# KiCad board labathome_pcb15.kicad_pcb
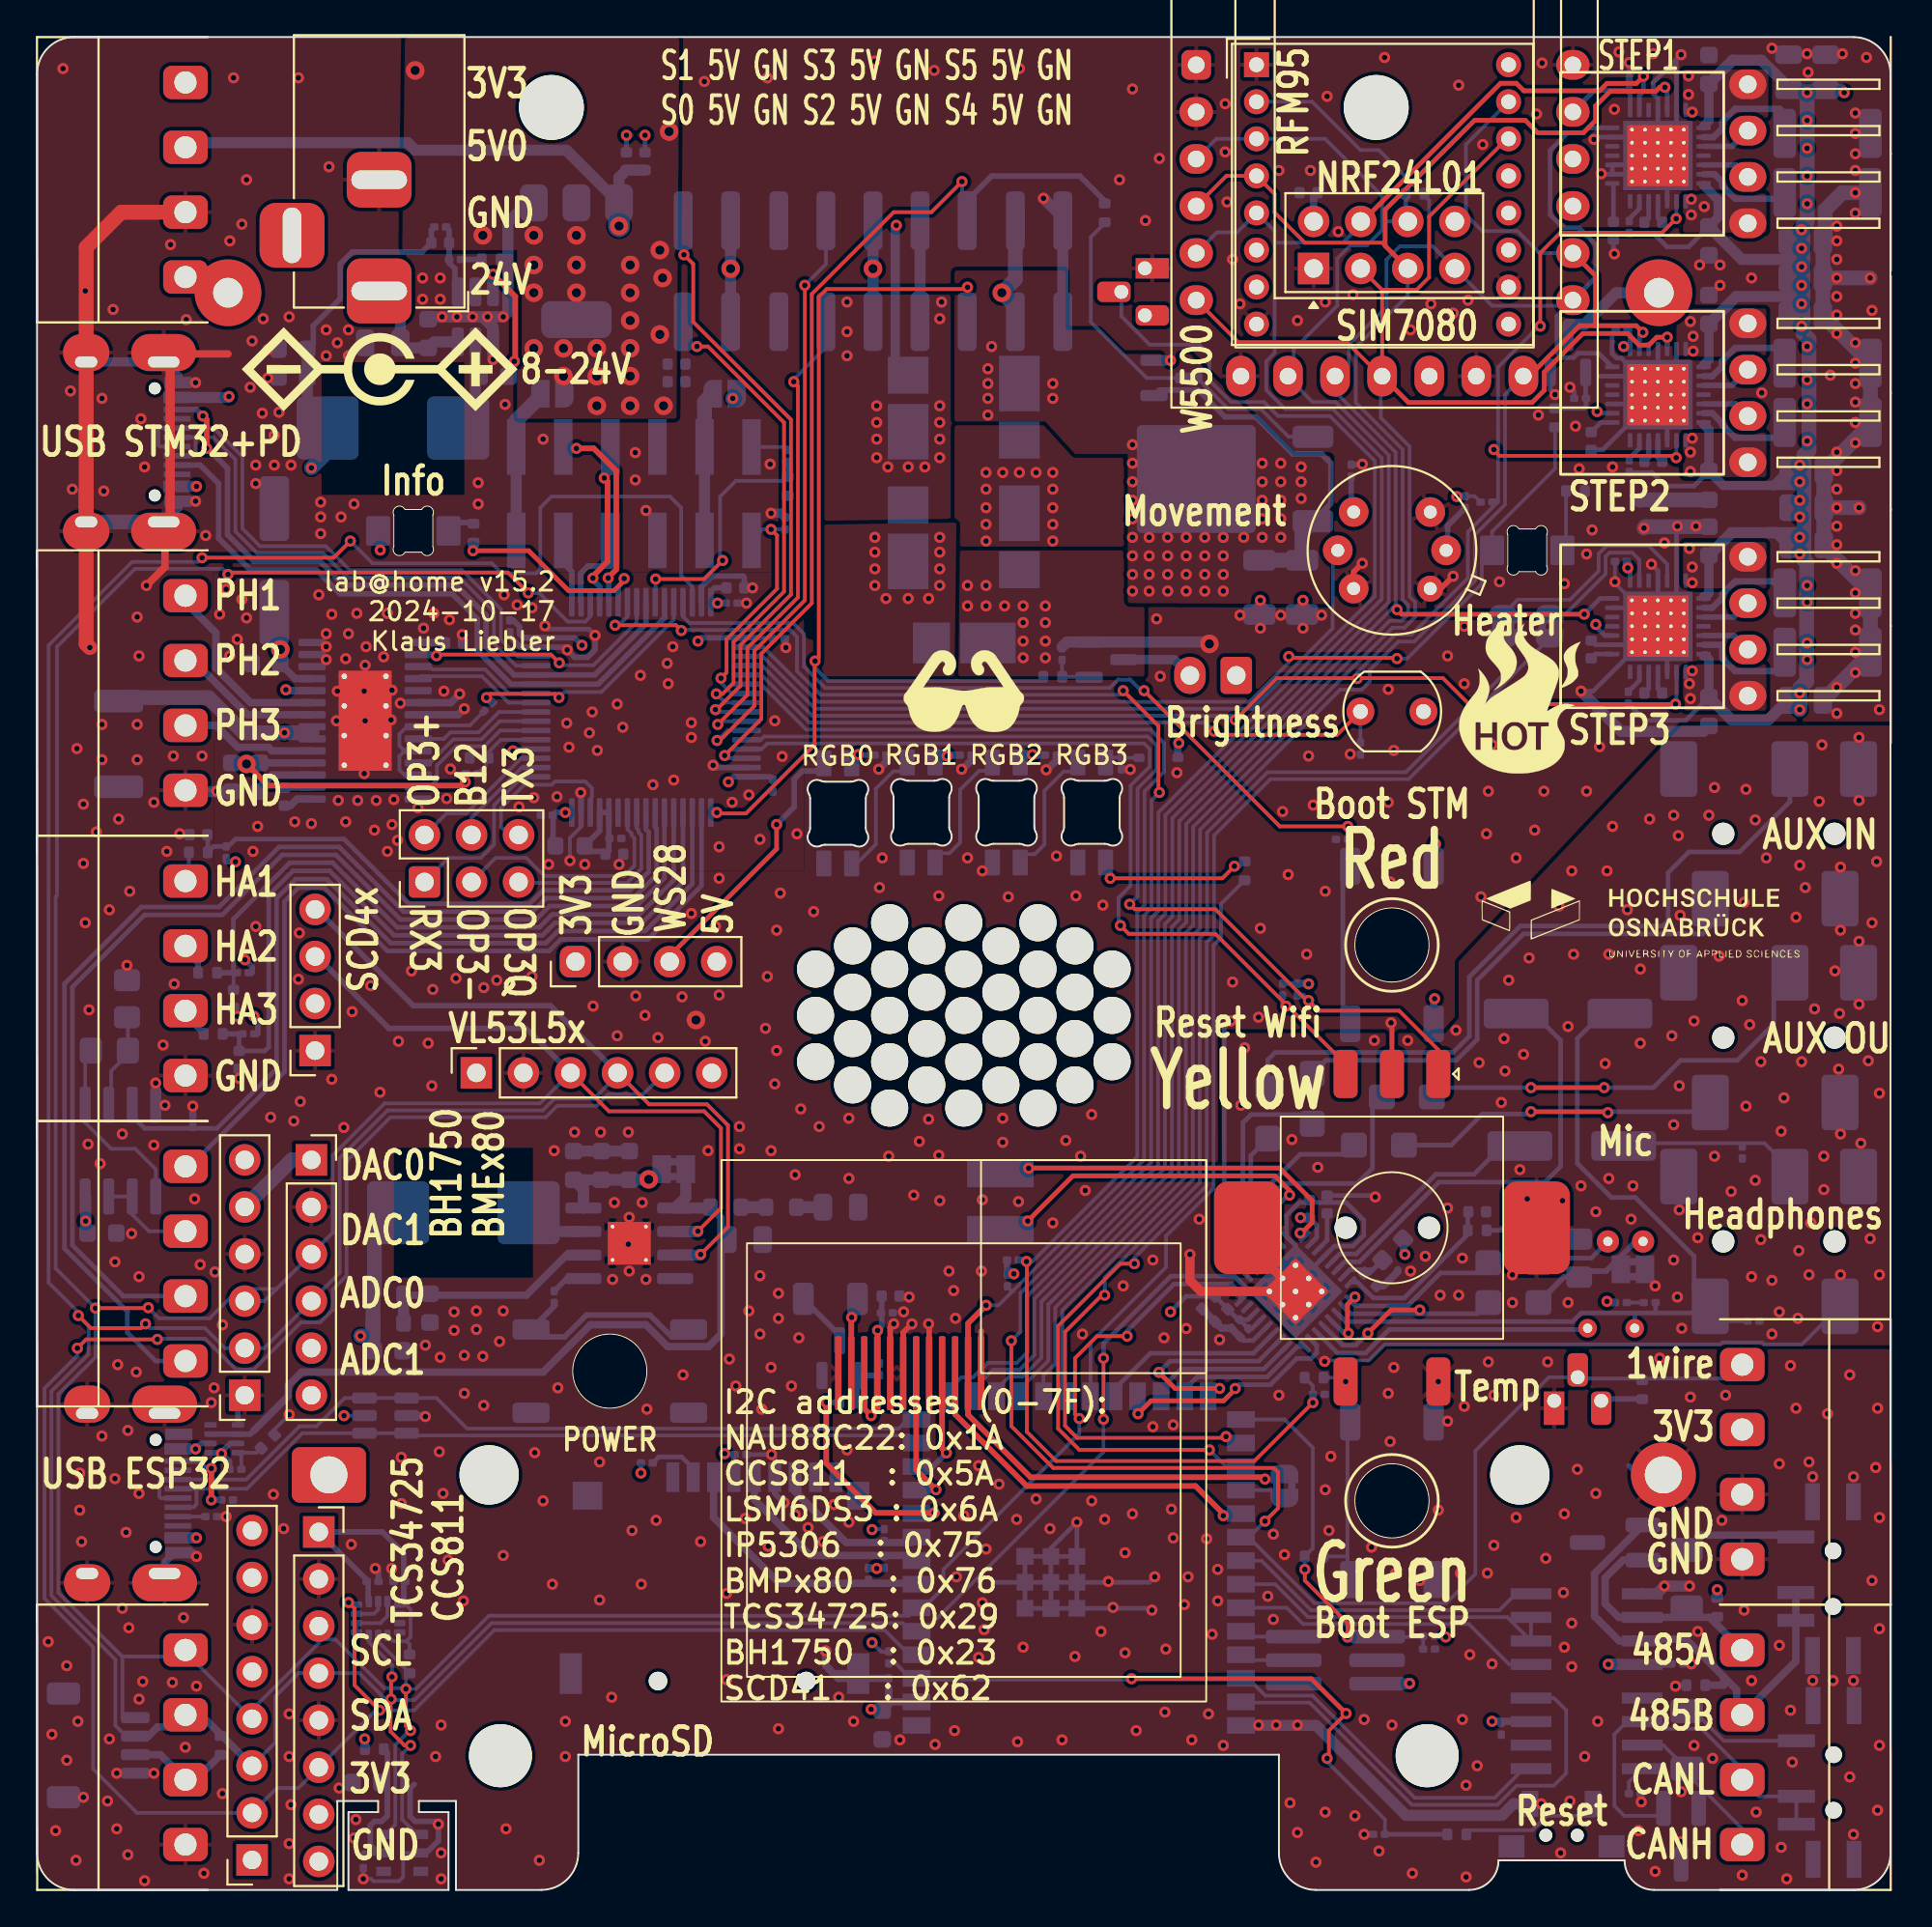
[diagram p0: board, top side]
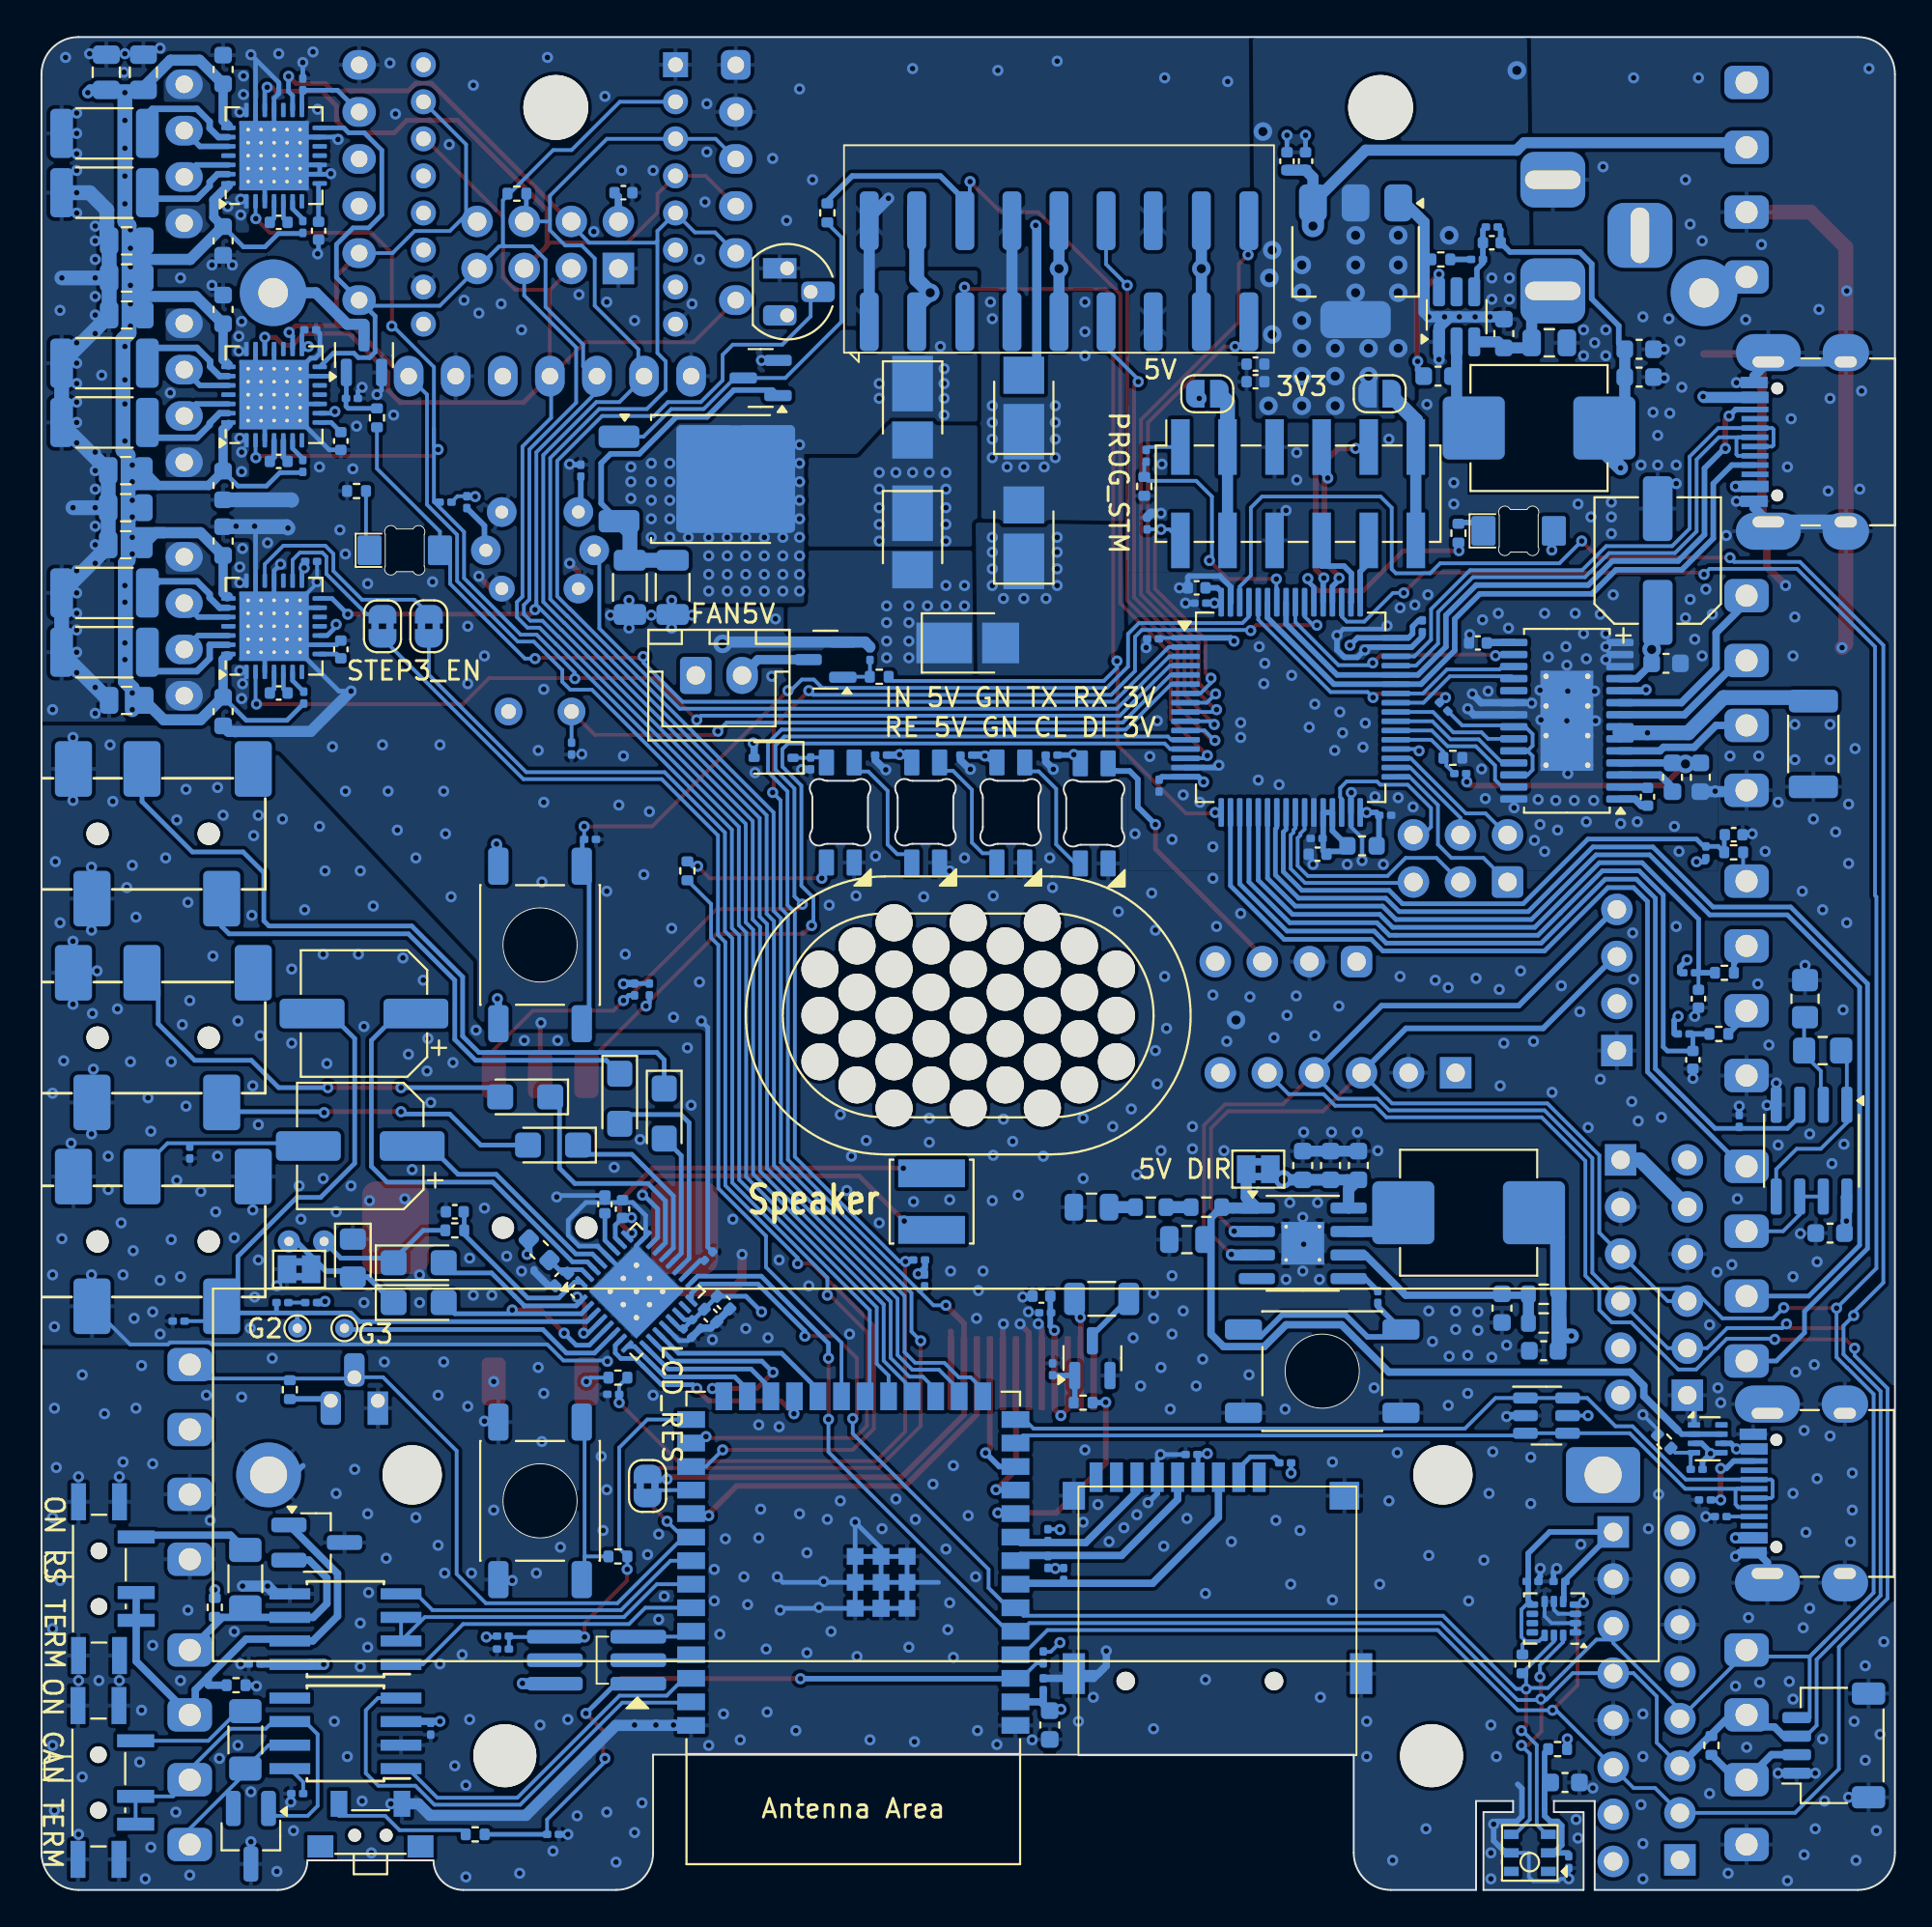
[diagram p1: board, bottom side, seen from below]

Outline 100 x 100 mm; copper layers: Top, In1.Cu, In2.Cu, Bottom. Coordinates in mm from the lower left corner of the outline.
Outline path: 0,98 0,2 arc(0.59,0.59) 2,0 16.2,0 16.2,4.8 18.4,4.8 18.4,4.2 16.8,4.2 16.8,0 22.2,0 22.2,4.2 20.6,4.2 20.6,4.8 22.6,4.8 22.6,0 27.2,0 arc(28.61,0.59) 29.2,2 29.2,7.3 67,7.3 67,2 arc(67.59,0.59) 69,0 77.25,0 arc(78.38,0.47) 78.85,1.6 85.65,1.6 arc(86.12,0.47) 87.25,0 98,0 arc(99.41,0.59) 100,2 100,98 arc(99.41,99.41) 98,100 2,100 arc(0.59,99.41) 0,98
Stack: Top 0.035mm / dielectric 0.1mm FR4 er 4.5 / In1.Cu 0.035mm / dielectric 1.24mm FR4 er 4.5 / In2.Cu 0.035mm / dielectric 0.1mm FR4 er 4.5 / Bottom 0.035mm

## Placement (name value [footprint] x y rotation side)
BT1  18650  [BatteryHolder_MPD_BH-18650-PC2]  15.75 22.4 0 bottom
C1  10u  [C_0805_2012Metric]  43.35 36.85 0 bottom
C2  u1  [C_0201_0603Metric]  45.95 11.1 90 bottom
C3  u1  [C_0201_0603Metric]  88.5 12.2 180 bottom
C4  10u  [C_0805_2012Metric]  38.2 35.1 0 bottom
C5  u1  [C_0201_0603Metric]  72.4 3 180 bottom
C6  22u  [C_0603_1608Metric]  45.6 8.9 270 bottom
C7  22u  [C_0603_1608Metric]  21.2 31.4 270 bottom
C8  10p  [C_0402_1005Metric]  8.7 56.95 180 bottom
C9  10p  [C_0402_1005Metric]  10.6 48.1 270 bottom
C10  10p  [C_0402_1005Metric]  10.9 44.8 270 bottom
C11  u1  [C_0201_0603Metric]  79 8.7 270 bottom
C12  4u7  [C_0402_1005Metric]  63.2 31.7 225 bottom
C13  4u7  [C_0402_1005Metric]  63.9 31 225 bottom
C14  4u7  [C_0402_1005Metric]  71.95 32.95 315 bottom
C15  4u7  [C_0402_1005Metric]  68.65 36.75 90 bottom
C16  1u  [CP_EIA-3216-10_Kemet-I]  72.4 40.2 0 bottom
C17  1u  [CP_EIA-3216-10_Kemet-I]  73.9 42.8 0 bottom
C18  220u  [CP_Elec_6.3x5.4]  82.6 47.3 0 bottom
C19  220u  [CP_Elec_6.3x5.4]  82.8 40.15 0 bottom
C20  1u  [CP_EIA-3216-10_Kemet-I]  79.65 31.7 180 bottom
C21  4u7  [C_0402_1005Metric]  69.6 37 90 bottom
C22  4u7  [C_0402_1005Metric]  77.7 36.6 0 bottom
C23  1u  [CP_EIA-3216-10_Kemet-I]  79.65 33.85 180 bottom
C24  1u  [CP_EIA-3216-10_Kemet-I]  66.4 41.9 270 bottom
C25  u1  [C_0201_0603Metric]  40.35 73.75 90 bottom
C26  u1  [C_0201_0603Metric]  37.95 23.5 180 bottom
C27  u1  [C_0201_0603Metric]  45.85 31.15 0 bottom
C28  22u  [C_0603_1608Metric]  31.95 39.1 270 bottom
C29  22u  [C_0603_1608Metric]  18.95 29.1 0 bottom
C30  22u  [C_0603_1608Metric]  28.95 39.1 270 bottom
C31  22u  [C_0603_1608Metric]  30.45 39.1 270 bottom
C32  u1  [C_0201_0603Metric]  27.5 58 180 bottom
C33  u1  [C_0201_0603Metric]  25.5 68.2 270 bottom
C34  u1  [C_0201_0603Metric]  37.47 69.45 0 bottom
C35  u1  [C_0201_0603Metric]  40.03 67.53 0 bottom
C36  4u7  [C_0402_1005Metric]  37.68 70.28 0 bottom
C37  1u  [C_0402_1005Metric]  31.15 55.9 0 bottom
C38  10n/35V  [C_0402_1005Metric]  13.35 59 90 bottom
C39  100u  [CP_Elec_6.3x5.4]  12.8 71.75 90 bottom
C40  u1  [C_0201_0603Metric]  69.15 26.75 180 bottom
C41  4u7  [C_0402_1005Metric]  32.8 93.3 270 bottom
C42  1u  [C_0402_1005Metric]  31.8 93.3 90 bottom
C43  4u7  [C_0402_1005Metric]  34.5 81.4 180 bottom
C44  1u  [C_0402_1005Metric]  34.5 82.35 0 bottom
C45  u1  [C_0201_0603Metric]  58.5 60.8 90 bottom
C46  u1  [C_0201_0603Metric]  54.7 61.25 180 bottom
C47  u1  [C_0201_0603Metric]  50.1 61.25 180 bottom
C48  u1  [C_0201_0603Metric]  45.5 61.25 180 bottom
C49  u1  [C_0201_0603Metric]  31.2 56.75 0 bottom
C50  u1  [C_0201_0603Metric]  39.7 59.6 270 bottom
C51  u1/16V  [C_0603_1608Metric]  12 60.05 90 bottom
C52  u1/35V  [C_0603_1608Metric]  10.5 60.05 90 bottom
C53  u1  [C_0201_0603Metric]  75.1 13 180 bottom
C54  u1  [C_0201_0603Metric]  18.1 16.65 180 bottom
C55  u1  [C_0201_0603Metric]  19.55 16.65 0 bottom
C56  22u  [C_0603_1608Metric]  17.8 5.8 180 bottom
C57  u1  [C_0201_0603Metric]  17.6 1.5 90 bottom
C58  u1  [C_0201_0603Metric]  85.9 76.85 90 bottom
C59  1u  [C_0402_1005Metric]  68.6 91.6 180 bottom
C60  u1  [C_0201_0603Metric]  70.9 76.6 270 bottom
C61  4u7/6V3  [C_0402_1005Metric]  22.5 67.3 0 bottom
C62  1u  [CP_EIA-3216-10_Kemet-I]  68.8 42.7 270 bottom
C63  u1/35V  [C_0603_1608Metric]  12.35 66.2 180 bottom
C64  u1/24V  [C_0603_1608Metric]  3.5 35.45 180 bottom
C65  u1  [C_0201_0603Metric]  65.15 30.05 225 bottom
C66  u1  [C_0201_0603Metric]  64.65 30.55 225 bottom
C67  1u  [C_0402_1005Metric]  46.05 32.05 180 bottom
C68  u1/35V  [C_0603_1608Metric]  90.2 85.3 90 bottom
C69  10u/35V  [C_0805_2012Metric]  95.4 87 180 bottom
C70  2u2  [C_0402_1005Metric]  83.85 78.2 270 bottom
C71  22n/50V  [C_0402_1005Metric]  87.2 77.1 180 bottom
C72  10u/35V  [C_0805_2012Metric]  95.45 76.6 180 bottom
C73  2u2  [C_0402_1005Metric]  85.05 89.55 270 bottom
C74  22n/50V  [C_0402_1005Metric]  87.2 90 180 bottom
C75  u1  [C_0201_0603Metric]  85.9 89.75 90 bottom
C76  u1/35V  [C_0603_1608Metric]  90.2 98.25 90 bottom
C77  10u/35V  [C_0805_2012Metric]  94.5 98.1 270 bottom
C78  10u/35V  [C_0805_2012Metric]  96.5 98.1 270 bottom
C79  u1/35V  [C_0603_1608Metric]  21.1 84 270 bottom
C80  10u/35V  [C_0805_2012Metric]  18.65 83.5 0 bottom
C81  u1/16V  [C_0603_1608Metric]  24.65 81.7 180 bottom
C82  56p  [C_0402_1005Metric]  21.75 88.9 180 bottom
C83  22u  [C_0603_1608Metric]  13.8 81.65 180 bottom
C84  22u  [C_0603_1608Metric]  13.8 83.15 180 bottom
C85  10u/35V  [C_0805_2012Metric]  95.4 89 180 bottom
C86  u1/35V  [C_0603_1608Metric]  90.2 89 270 bottom
C87  u1  [C_0201_0603Metric]  85.9 97.45 90 bottom
C88  10u/35V  [C_0805_2012Metric]  95.4 85 180 bottom
C89  u1/35V  [C_0603_1608Metric]  90.2 75.8 270 bottom
C90  u1  [C_0201_0603Metric]  85.85 64.35 90 bottom
C91  u1  [C_0201_0603Metric]  85.45 71.7 180 bottom
C92  u1/35V  [C_0603_1608Metric]  90.2 72.8 90 bottom
C93  10u/35V  [C_0805_2012Metric]  95.4 64.2 180 bottom
C94  2u2  [C_0402_1005Metric]  83.85 66.95 90 bottom
C95  22n/50V  [C_0402_1005Metric]  87.2 64.6 180 bottom
C96  10u/35V  [C_0805_2012Metric]  95.45 74.6 180 bottom
C97  10u/35V  [C_0805_2012Metric]  95.45 72.6 180 bottom
C98  u1/35V  [C_0603_1608Metric]  90.2 63.6 270 bottom
C120  u1  [C_0201_0603Metric]  85.5 84.2 180 bottom
D2  PSM712  [SOT-23_Handsoldering]  85.15 18.75 180 bottom
D3  NUP2105  [SOT-23_Handsoldering]  88.7 2.9 270 bottom
D8  WHITE  [LED_PLCC_2835_Handsoldering]  47 80 90 bottom
D9  WHITE  [LED_PLCC_2835_Handsoldering]  47 73 90 bottom
D10  WHITE  [LED_PLCC_2835_Handsoldering]  50 67.3 180 bottom
D11  WHITE  [LED_PLCC_2835_Handsoldering]  53 73 270 bottom
D12  WHITE  [LED_PLCC_2835_Handsoldering]  53 80 270 bottom
D14  HTR ON  [LED_1206_3216Metric_ReverseMount]  80.4 72.3 180 bottom
D15  RGB2  [SK6812MINI-E_REV]  52.29 58.15 90 bottom
D16  RGB1  [SK6812MINI-E_REV]  47.7 58.15 90 bottom
D17  RGB0  [SK6812MINI-E_REV]  43.2 58.1 90 bottom
D19  INFO  [LED_1206_3216Metric_ReverseMount]  20.3 73.35 180 bottom
D20  1N5819WS  [D_SOD-323]  60.5 61.1 0 bottom
D21  RGB3  [SK6812MINI-E_REV]  56.9 58.15 90 bottom
DRAWING1  Polarity  [barrel_jack_positive_polarity]  18.5 82.2 0 top
FB1  600R  [L_0603_1608Metric]  73.15 34.55 45 bottom
FB2  600R  [L_0603_1608Metric]  28.75 56.35 180 bottom
G***  LOGO  [LOGO_FHOS_30mm]  86.5 52.4 0 top  (not fitted)
G***#2  LOGO  [googles]  50 64.7 0 top  (not fitted)
G***#3  LOGO  [hot]  80 64.4 0 top
J1  HALL  [PhoenixContact_MC_1,5_4-G-3.5_1x04_P3.50mm_Horizontal_smallerCourtyard]  8 49.2 270 top
J2  I2C  [PhoenixContact_MC_1,5_4-G-3.5_1x04_P3.50mm_Horizontal_smallerCourtyard]  8 7.7 270 top
J3  AUX IN  [PJ-327A]  99.97 57 90 bottom
J4  SCD4x  [PinSocket_1x04_P2.54mm_Vertical]  15 45.3 180 top
J5  USB_ESP32  [USB_C_Receptacle_HRO_TYPE-C-31-M-12_IMPROVED]  2.7 21.4 90 bottom
J6  PROG ESP  [PinHeader_2x03_P1.27mm_Vertical_SMD_handsolder]  70.05 12.4 0 bottom
J7  FAN5V  [JST_XH_B2B-XH-A_1x02_P2.50mm_Vertical]  64.7 65.55 180 bottom
J8  3V GN RGB 5V  [PinHeader_1x04_P2.54mm_Vertical]  29.05 50.1 90 top
J9  Barrel_Jack_Switch  [BarrelJack_Horizontal]  18.46 86.3 270 top
J10  BMEx80  [PinSocket_1x06_P2.54mm_Vertical]  14.8 39.4 0 top
J11  QWIIC  [JST_SH_SM04B-SRSS-TB_1x04-1MP_P1.00mm_Horizontal]  3.3 7.8 90 bottom
J12  TCS34725  [PinSocket_1x08_P2.54mm_Vertical]  11.6 1.62 180 top
J13  POWER  [USB_C_Receptacle_HRO_TYPE-C-31-M-12_IMPROVED]  2.65 78.15 90 bottom
J14  AUX OUT  [PJ-327A]  99.97 46 90 bottom
J15  CAN RS 485  [PhoenixContact_MC_1,5_4-G-3.5_1x04_P3.50mm_Horizontal_smallerCourtyard]  92 7.7 90 top
J16  Headphones  [PJ-327A]  99.97 35 90 bottom
J17  Micro_SD_Card_Det1  [microSD push]  41.5 11.28 180 bottom
J19  BH1750  [PinSocket_1x06_P2.54mm_Vertical]  11.2 26.7 180 top
J20  CCS811  [PinSocket_1x08_P2.54mm_Vertical]  15.2 19.32 0 top
J21  GPIO  [PhoenixContact_MC_1,5_4-G-3.5_1x04_P3.50mm_Horizontal_smallerCourtyard]  92 23.1 90 top
J22  Volts  [PhoenixContact_MC_1,5_4-G-3.5_1x04_P3.50mm_Horizontal_smallerCourtyard]  8 92.3 270 top
J23  VL53L5x  [PinSocket_1x06_P2.54mm_Vertical]  23.7 44.1 90 top
J24  K1  [JST_XH_S4B-XH-A-1_1x04_P2.50mm_Horizontal_SmallerCourtyard]  92.3 89.95 90 top
J26  Servos  [PinHeader_2x09_P2.54mm_Horizontal_SMD]  45.1 87.36 90 bottom
J27  ADDA  [PhoenixContact_MC_1,5_4-G-3.5_1x04_P3.50mm_Horizontal_smallerCourtyard]  8 33.8 270 top
J28  Brushless  [PhoenixContact_MC_1,5_4-G-3.5_1x04_P3.50mm_Horizontal_smallerCourtyard]  8 64.6 270 top
J30  K1  [JST_XH_S4B-XH-A-1_1x04_P2.50mm_Horizontal_SmallerCourtyard]  92.3 77.05 90 top
J31  K1  [JST_XH_S4B-XH-A-1_1x04_P2.50mm_Horizontal_SmallerCourtyard]  92.3 64.45 90 top
J34  STM32 EXT  [PinHeader_2x03_P2.54mm_Vertical]  20.9 54.4 90 top
J36  PROG_STM  [PinSocket_2x06_P2.54mm_Vertical_SMD]  32.2 75.36 90 bottom
JP1  Jumper_2_Bridged  [SolderJumper-2_P1.3mm_Bridged2Bar_Pad1.0x1.5mm]  86.1 33.5 180 bottom
JP2  5V DIR  [SolderJumper-2_P1.3mm_Bridged2Bar_Pad1.0x1.5mm]  34.35 38.9 180 bottom
JP3  LCD_RES  [SolderJumper-2_P1.3mm_Bridged2Bar_RoundedPad1.0x1.5mm]  67.3 21.8 90 bottom
JP4  5V  [SolderJumper-2_P1.3mm_Open_RoundedPad1.0x1.5mm]  37.1 80.75 0 bottom
JP5  3V3  [SolderJumper-2_P1.3mm_Open_RoundedPad1.0x1.5mm]  27.8 80.75 180 bottom
JP6  STEP3_EN  [SolderJumper-2_P1.3mm_Bridged2Bar_RoundedPad1.0x1.5mm]  79.1 68.2 90 bottom
JP7  STEP3_EN  [SolderJumper-2_P1.3mm_Bridged2Bar_RoundedPad1.0x1.5mm]  81.6 68.2 90 bottom
L1  1u  [L_0630]  23 36.55 180 bottom
L4  10u  [L_0630]  19.2 78.9 0 bottom
LS1  Speaker  [L_Abracon_ASPI-0425]  51.97 37.15 270 bottom
LS2  Speaker  [SPEAKER_2415]  50 47.2 270 bottom
M1  W5500_mini  [W5500-mini]  72.7 92.15 0 top
MK1  Mic  [Microphone_6mm]  85.7 36 180 top
NT1  NetTie_2  [NetTie-2_SMD_Pad0.5mm]  65 32.3 0 top
Q1  BC817  [SOT-23]  61.2 81.6 0 bottom
Q2  IRLML6344  [SOT-23]  82.6 82.84 90 bottom
Q3  MJD31C  [TO-252-2]  63.8 76.15 180 bottom
Q5  IRLML6344  [SOT-23]  57.7 66.4 0 bottom
Q6  IRLML6344  [SOT-23]  43.3 28.7 90 bottom
R1  k22  [R_0402_1005Metric]  76.6 3 180 bottom
R2  10k  [R_0201_0603Metric]  45.95 12.55 90 bottom
R3  1R  [R_0603_1608Metric]  40.15 36.85 0 bottom
R4  10k  [R_0201_0603Metric]  27.9 32 270 bottom
R5  1k  [R_0402_1005Metric]  89.5 11.05 180 bottom
R6  1k  [R_0402_1005Metric]  83 75.5 180 bottom
R7  1R  [R_0603_1608Metric]  18.95 30.6 0 bottom
R8  1k  [R_0402_1005Metric]  90.65 15.25 270 bottom
R9  k22  [R_0402_1005Metric]  18.2 7.6 0 bottom
R10  2k2  [R_0402_1005Metric]  9.5 46.2 0 bottom
R11  10k  [R_0201_0603Metric]  71.4 61.6 270 bottom
R12  1k  [R_0402_1005Metric]  57.6 90.51 90 bottom
R13  10R  [R_1206_3216Metric]  68.25 70.3 270 bottom
R14  2k2  [R_0402_1005Metric]  9.2 49.5 0 bottom
R15  10R  [R_1206_3216Metric]  65.95 70.3 270 bottom
R16  2k2  [R_0402_1005Metric]  8.7 56 0 bottom
R17  10k  [R_0201_0603Metric]  10.2 56 90 bottom
R18  5k1  [R_0201_0603Metric]  9.4 20.15 0 bottom
R19  5k1  [R_0201_0603Metric]  10.25 21.05 0 bottom
R20  K12  [R_1206_3216Metric_Pad1.30x1.75mm_HandSolder]  89 16.8 90 bottom
R21  10k  [R_0201_0603Metric]  86.2 5.2 0 bottom
R22  1k  [R_0402_1005Metric]  74.35 91.55 0 bottom
R23  0R  [D_0805_2012Metric_Pad1.15x1.40mm_HandSolder]  83.2 34.1 270 bottom  (not fitted)
R24  2k2  [R_0402_1005Metric]  77.7 35.6 180 bottom
R25  M1  [R_0201_0603Metric]  87 31.7 0 bottom
R26  10k  [R_0201_0603Metric]  64 34.2 135 bottom
R27  10k  [R_0201_0603Metric]  92.6 30.7 0 bottom
R28  1R  [R_0603_1608Metric]  18.95 32.15 0 bottom
R29  10k  [R_0201_0603Metric]  78.2 74.9 180 bottom
R30  1k  [R_0402_1005Metric]  81.9 79.45 270 bottom
R31  10k  [R_0201_0603Metric]  83.25 80.5 0 bottom
R32  GL5516  [R_LDR_5.1x4.3mm_P3.4mm_Vertical]  74.8 63.6 180 top
R33  22R  [Resistor_100W]  50 86.2 0 bottom
R34  1k  [R_0402_1005Metric]  23.55 73.22 90 bottom
R35  1k  [R_0402_1005Metric]  54.8 65.47 180 bottom
R36  10k  [R_0201_0603Metric]  68 48.6 90 bottom
R37  10k  [R_0201_0603Metric]  67.2 48.6 270 bottom
R38  r1  [R_2010_5025Metric]  4.4 61.85 270 bottom
R39  10k  [R_0201_0603Metric]  70.4 56.7 180 bottom
R40  k22  [R_0402_1005Metric]  68.9 18 0 bottom
R41  10k  [R_0201_0603Metric]  75.1 13.7 180 bottom
R42  1k  [R_0402_1005Metric]  86.6 27 270 bottom
R43  3k3  [R_0402_1005Metric]  9.9 7.8 270 bottom
R44  3k3  [R_0402_1005Metric]  20.1 12.2 90 bottom
R45  10k  [R_0201_0603Metric]  55.3 66.7 270 bottom
R46  K12  [R_1206_3216Metric_Pad1.30x1.75mm_HandSolder]  89 8.1 270 bottom
R47  1R  [R_0603_1608Metric]  37.15 36.85 0 bottom
R48  3k3  [R_0402_1005Metric]  24.5 88 180 bottom
R49  10k  [R_0805_2012Metric_Pad1.20x1.40mm_HandSolder]  4.85 48.1 270 bottom
R50  10k  [R_0201_0603Metric]  8.4 41.5 270 bottom
R51  10k  [R_0201_0603Metric]  11.1 49.5 180 bottom
R52  22k  [R_0805_2012Metric_Pad1.20x1.40mm_HandSolder]  3.9 45.3 0 bottom
R53  M1  [R_0201_0603Metric]  77.05 74.9 270 bottom
R54  M1  [R_0201_0603Metric]  85.45 31.7 0 bottom
R55  10k  [R_0201_0603Metric]  92 39.8 270 bottom
R56  10k  [R_0201_0603Metric]  44.85 17.05 270 bottom
R57  10k  [R_0201_0603Metric]  45.7 17.7 90 bottom
R58  10k  [R_0201_0603Metric]  45.7 19.15 270 bottom
R59  M1  [R_0201_0603Metric]  21.75 89.75 0 bottom
R60  10k  [R_0201_0603Metric]  22.55 88 180 bottom
R61  10k  [R_0201_0603Metric]  32.9 23.05 0 bottom
R62  10k  [R_0201_0603Metric]  52.35 32.9 270 bottom
R63  10k  [R_0201_0603Metric]  24.35 63.85 225 bottom
R64  10k  [R_0201_0603Metric]  11.4 46.2 180 bottom
R65  10k  [R_0201_0603Metric]  40.4 77.4 270 bottom
R66  k22  [R_0402_1005Metric]  68.9 27.65 180 bottom
R67  10k  [R_0201_0603Metric]  52.65 34 0 bottom
R68  10k  [R_0201_0603Metric]  23.45 60.25 0 bottom
R69  1k  [R_0402_1005Metric]  23.85 61.1 180 bottom
R70  k22  [R_0402_1005Metric]  65.15 55 270 bottom
R71  1k  [R_0402_1005Metric]  40.5 75.75 270 bottom
R72  10k  [R_0201_0603Metric]  10.7 22.7 180 bottom
R73  3k3  [R_0402_1005Metric]  12.45 24.2 225 bottom
R74  1k  [R_0402_1005Metric]  43.8 26.3 180 bottom
R75  10k  [R_0201_0603Metric]  45.45 28.1 90 bottom
R78  10R  [R_1206_3216Metric]  42.8 31.9 180 bottom
R79  r1  [R_2010_5025Metric]  96.6 91.6 0 bottom
R80  r1  [R_2010_5025Metric]  96.6 82.4 0 bottom
R83  r1  [R_2010_5025Metric]  96.6 94.8 0 bottom
R84  r1  [R_2010_5025Metric]  96.6 79.2 0 bottom
R87  r1  [R_2010_5025Metric]  96.6 70 0 bottom
R88  r1  [R_2010_5025Metric]  96.6 66.8 0 bottom
SW1  Reset  [Button_2x4x3,5_handsolder]  82.25 2.95 0 bottom
SW2  ON RS TERM  [SW_SPDT_PCM12_handsolder]  96.57 16.8 270 bottom
SW3  ON CAN TERM  [SW_SPDT_PCM12_handsolder]  96.6 5.8 270 bottom
SW5  POWER  [SW_Push_1P1T_NO_6x6mm_H6.5mm_Reverse]  30.9 28 0 bottom
SW6  YELLOW  [RotaryEncoder_EC11_SMD_handsolder]  73.1 35.74 180 top
SW7  RED  [SW_Push_1P1T_NO_6x6mm_H6.5mm_Reverse]  73.1 51 90 bottom
SW8  GREEN  [SW_Push_1P1T_NO_6x6mm_H6.5mm_Reverse]  73.1 21 90 bottom
TP1  G2  [TestPoint_THTPad_D1.0mm_Drill0.5mm]  86.19 30.31 180 bottom
TP6  G3  [TestPoint_THTPad_D1.0mm_Drill0.5mm]  83.66 30.31 180 bottom
U1  MAX3485  [SOIC-8_3.9x4.9mm_Pitch1.27mm_handsolder]  83.6 14.07 0 bottom
U2  IP5306_I2C  [HSOP-8-1EP_3.9x4.9mm_P1.27mm_EP2.3x2.3mm_ThermalVias]  31.95 34.9 180 bottom
U3  DRV8313  [HTSSOP-28-1EP_4.4x9.7mm_P0.65mm_EP2.85x5.4mm_ThermalVias]  17.7 63.1 0 bottom
U4  -  [ESP32-S3-WROOM-1]  56.2 17.14 0 bottom
U5  STM32G431R8Tx  [LQFP-64_10x10mm_P0.5mm]  32.6 63.83 180 bottom
U6  RFM95W-868S2  [HOPERF_RFM9XW_THT]  65.79 98.51 0 top
U7  SN65HVD230  [SOIC-8_3.9x4.9mm_Pitch1.27mm_handsolder]  83.6 8.45 0 bottom
U8  SRV05-4  [SOT-23-6]  18.8 25.6 180 bottom
U9  LSM6DS3  [LGA-14_3x2.5mm_P0.5mm_LayoutBorder3x4y]  18.4 14.65 0 bottom
U10  NAU8822  [QFN-32-1EP_5x5mm_P0.5mm_EP3.6x3.6mm_ThermalVias]  67.9 32.3 135 bottom
U11  AMS1117  [SOT-223-3_TabPin2]  29.1 87.9 270 bottom
U12  AHT20  [AHT21]  19.7 2 0 bottom
U13  DS18B20  [TO-92_HandSolder]  81.85 26.4 0 top
U14  TMC2209  [QFN-28-1EP_5x5mm_P0.5mm_EP3.75x3.75mm_ThermalVias]  87.45 93.6 90 bottom
U15  NRF24L01  [nRF24L01_Breakout]  68.88 87.51 90 top
U16  LM358  [SOIC-8_3.9x4.9mm_P1.27mm]  4.5 39.9 270 bottom
U17  DS18B20  [TO-92_HandSolder]  59.77 87.52 270 bottom
U18  TPS2116DRL  [SOT-583-8]  10.1 24.35 180 bottom
U19  TMC2209  [QFN-28-1EP_5x5mm_P0.5mm_EP3.75x3.75mm_ThermalVias]  87.45 80.7 90 bottom
U20  TMC2209  [QFN-28-1EP_5x5mm_P0.5mm_EP3.75x3.75mm_ThermalVias]  87.45 68.2 90 bottom
U22  -  [AM612]  73.1 72.3 337.5 top
U27  TPS54202DDC  [SOT-23-6_Handsoldering]  23.65 84.9 90 bottom
X1  -  [FAN_6024]  50 -5.25 0 top
X2  Display_1.3inch  [IPS_130]  50 23.2 180 top
X3  SIM7080G  [SIM7080G_AND_MODULE]  72.57 81.7 90 top
